# Allegro board IMC-IO_A-IN_A2.brd (continued)
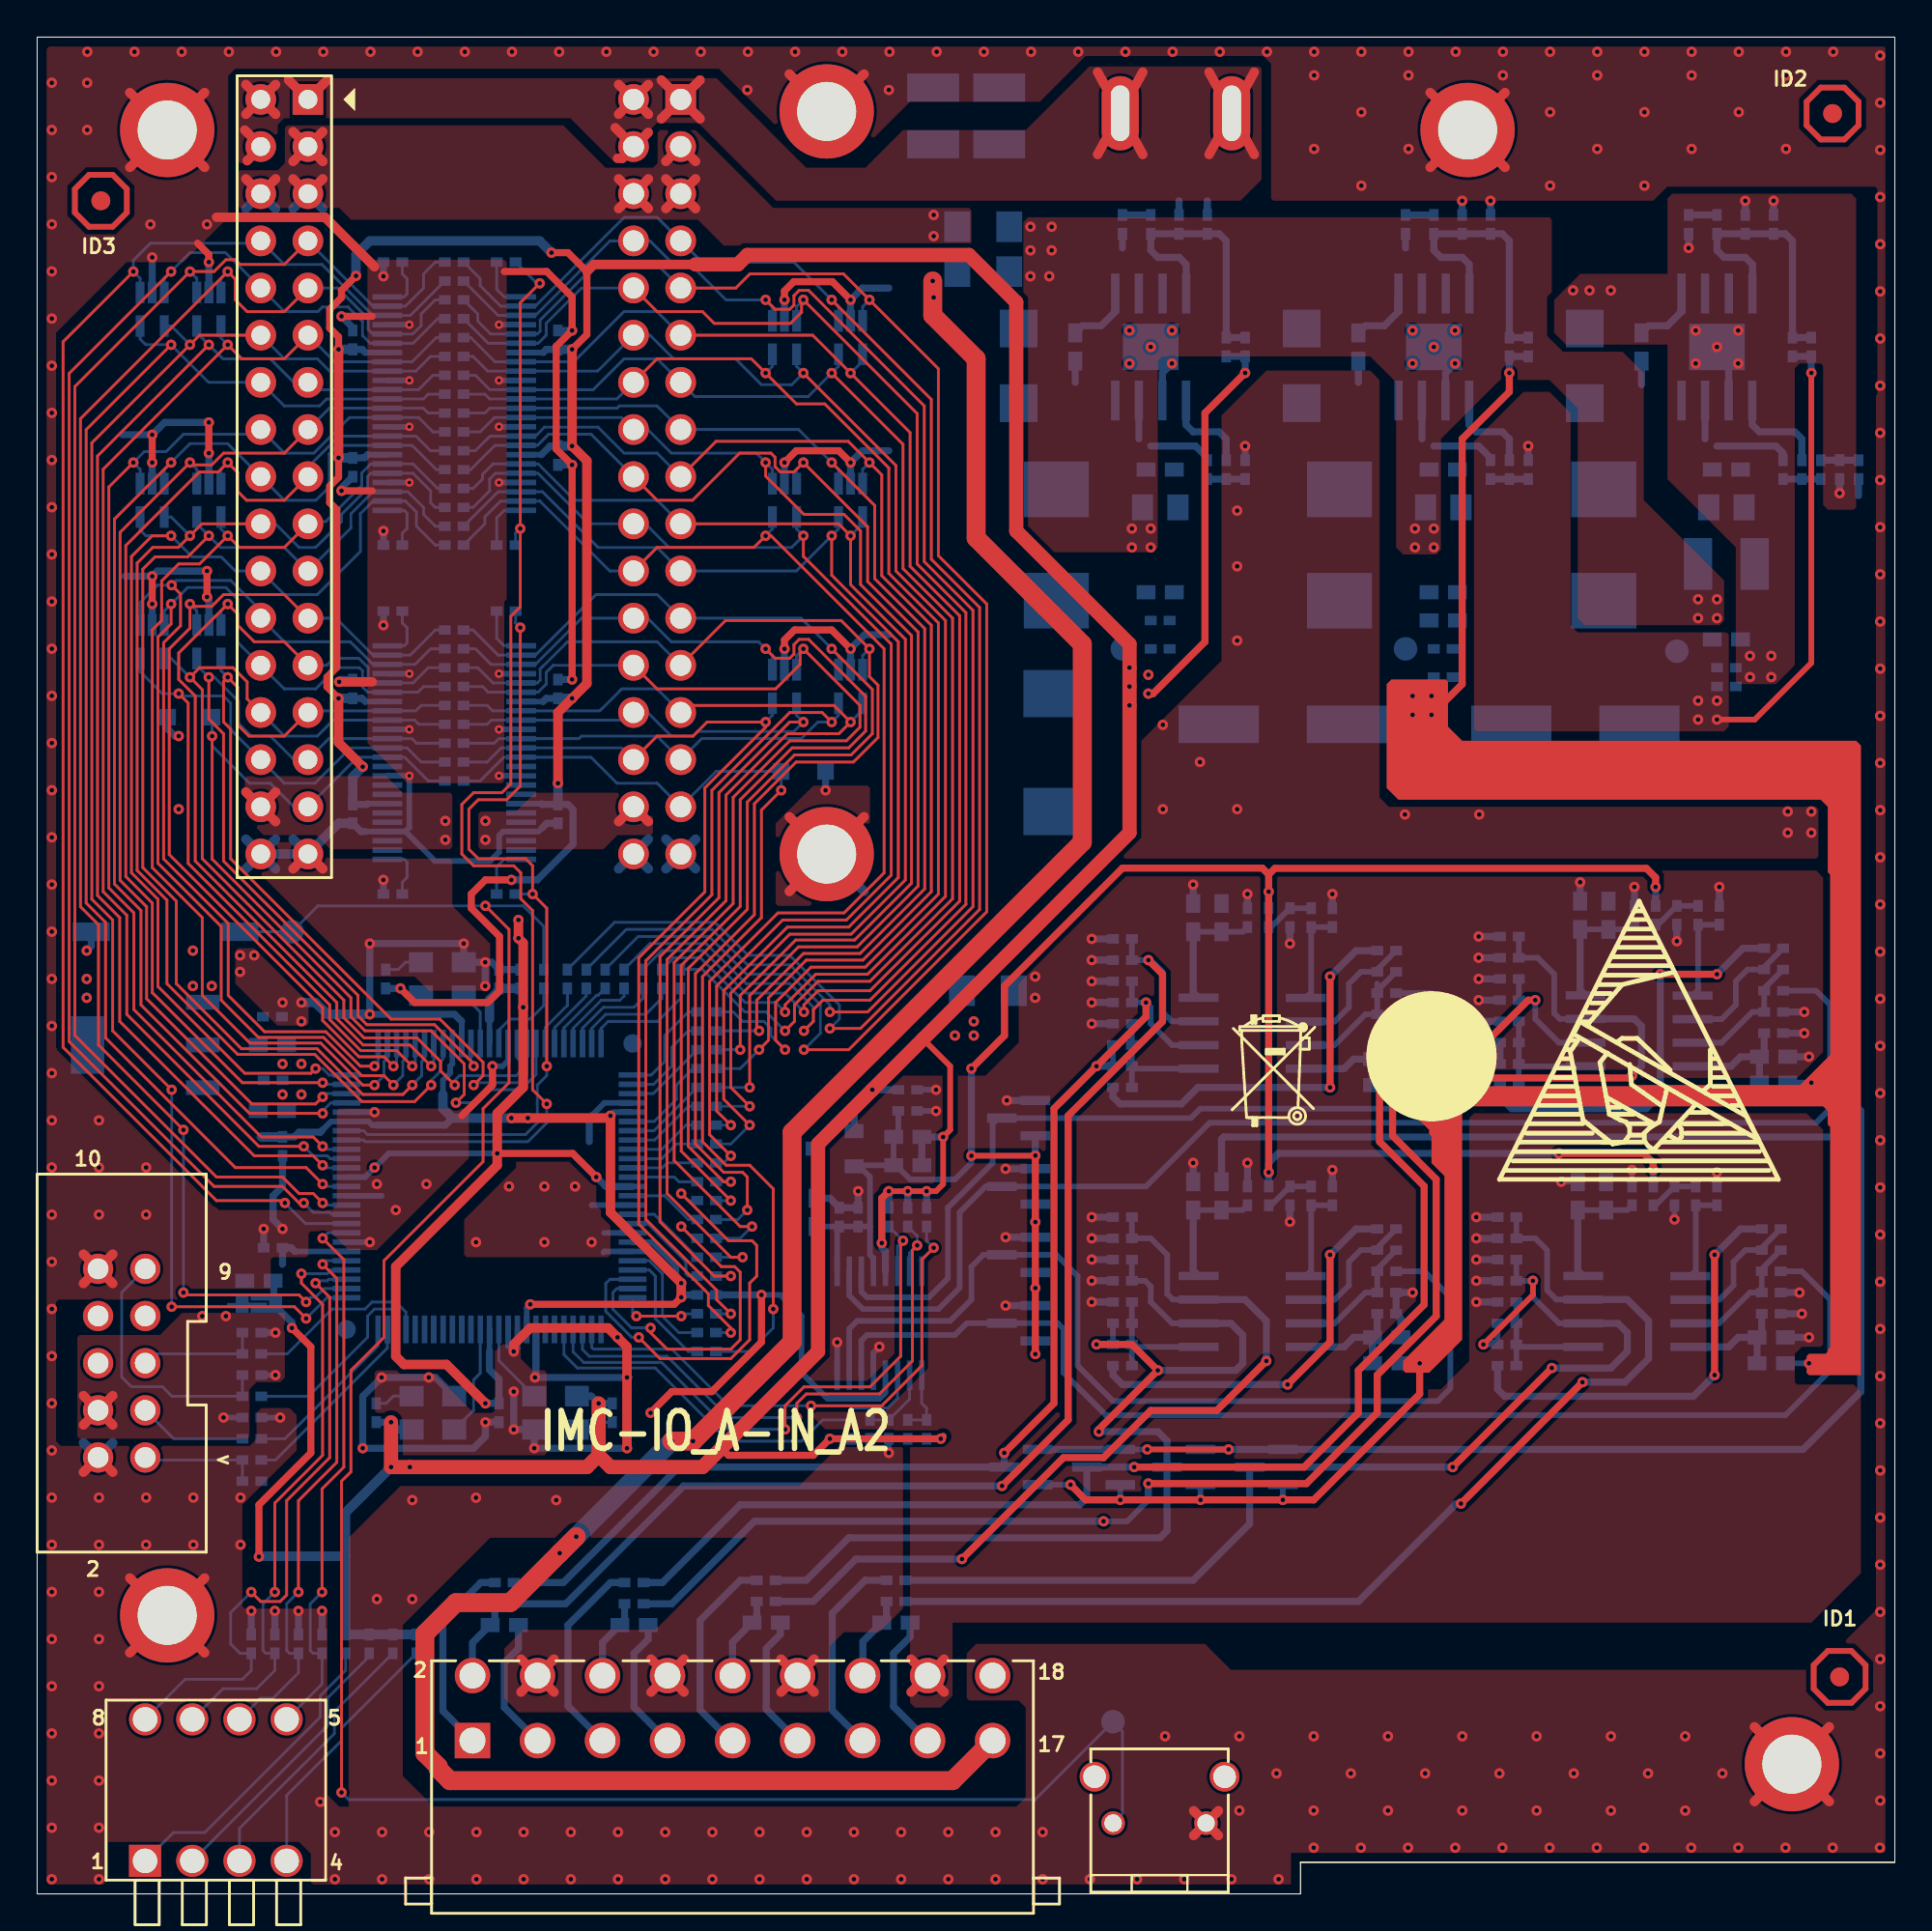
[diagram p0: board, top side]
## Routing (per net, layer and track width the routed paths; a pad name or vN(x,y) marks a point on that pad's centre or on a via; arc(x,y) is an arc through that point) (continued)
  BOTTOM w0.152: P1.52 18.85,45.01 18.67,44.83 18.67,44.07 v1(18.16,43.56) ; U13.4 9.89,73.51 v1(10.26,73.14) ; J3.19 14.7,73.91 15.54,73.91 17.47,75.84 17.47,76.52 17.96,77.01 U7.30 20.24,77.01 21.56,75.69 R143.1
F_EX_DATA13: length 66.2
  TOP w0.152: J3.20 8.87,73.79 v1(8.23,73.14) 7.6,72.52 6.22,72.52 5.38,71.67 5.38,55.12 6.99,53.52 6.99,49.02 10.79,45.21 14.94,45.21 17.48,42.67 20.32,42.67 v1(21.21,43.56)
  BOTTOM w0.152: P1.58 21.85,44.97 21.72,44.83 21.72,44.32 21.21,43.81 v1(21.21,43.56) ; J3.20 12.83,73.79 14.1,72.52 14.99,72.52 16.38,73.91 16.38,74.3 17.78,75.69 17.78,76.33 17.97,76.51 U7.29 20.23,76.51 21.18,75.56 21.18,74.93 21.43,74.67 R144.1 ; v1(8.23,73.14) 7.21,74.16 U14.4
F_EX_DATA14: length 63.2
  TOP w0.152: v1(9.24,73.14) 8.11,72.01 6.35,72.01 5.69,71.34 5.69,55.27 7.49,53.47 7.49,49.02 11,45.52 15.07,45.52 17.53,43.05 19.68,43.05 v1(20.19,43.56)
  BOTTOM w0.152: U13.5 8.59,73.79 v1(9.24,73.14) 9.87,72.52 13.31,72.52 J3.21 16.89,73.56 16.89,74.33 18.08,75.51 U7.27 19.96,75.51 20.8,74.67 20.8,74.29 21.43,73.66 R146.1 ; P1.56 20.85,44.98 20.7,44.83 20.7,44.07 v1(20.19,43.56)
F_EX_DATA15: length 61.9
  TOP w0.152: v1(14.99,44.45) 14.73,44.2 11.18,44.2 6.5,48.87 6.5,53.57 5.08,55 5.08,72.03 6.19,73.14 v1(7.21,73.14)
  BOTTOM w0.152: R149.1 21.43,72.64 20.42,73.66 20.42,74.42 19.83,75.01 U7.26 18.08,75.01 17.4,74.34 17.4,72.3 15.08,69.98 13.31,69.98 J3.22 10.67,71.25 9.91,72.01 8.35,72.01 v1(7.21,73.14) 5.85,73.14 5.54,73.45 U14.5 ; v1(14.99,44.45) 15.37,44.45 15.72,44.1 P1.50
F_EX_RD: length 55.4
  TOP w0.152: v1(18.16,44.58) 17.4,44.58 15.54,46.43 12.24,46.43 10.29,48.39 10.29,52.26 6.81,55.74 6.81,67.39 7.72,68.3 7.72,70.01 v1(7.24,70.48)
  BOTTOM w0.152: U18.1 5.54,69.55 6.48,70.48 v1(7.24,70.48) 7.49,70.74 10.41,70.74 12.04,69.12 J3.24 13.31,67.44 16.86,67.44 18.08,66.22 U8.46 20.34,66.22 21.18,67.05 R151.1 ; P1.51 18.35,44.77 v1(18.16,44.58)
F_EX_WR: length 50.5
  TOP w0.152: v1(21.21,44.58) 20.07,45.72 17.55,45.72 16.13,47.14 16.13,48.01 8.51,55.63 8.51,64.52 7.62,65.41 7.62,66.83 v1(10.26,69.47) 10.79,68.93 10.79,68.33 11.68,67.44 13.31,67.44 J3.25
  BOTTOM w0.152: R152.1 21.05,66.04 20.23,65.22 U8.44 17.97,65.22 17.82,65.37 17.82,66.04 17.31,66.55 15.97,66.55 15.59,66.17 J3.25 ; v1(21.21,44.58) 21.35,44.72 P1.57 ; U17.3 9.89,69.1 v1(10.26,69.47)
F_JTAG_TCK: length 10.3
  BOTTOM w0.152: 12.06,23.37 12.83,23.37 18.85,29.39 P1.24
F_JTAG_TDI: length 10.9
  BOTTOM w0.152: P1.23 19.35,31.32 19.18,31.5 18.16,31.5 17.78,31.12 17.78,29.97 14.61,26.8 12.06,26.8
F_JTAG_TDO: length 9.2
  BOTTOM w0.152: 12.06,24.51 13.34,24.51 18.35,29.53 P1.25
F_JTAG_TMS: length 10.1
  BOTTOM w0.152: P1.22 19.85,31.33 19.3,31.88 18.03,31.88 17.65,31.5 15.88,31.5 13.46,29.08 12.06,29.08
IIC_ADD0: length 3.5
  BOTTOM w0.152: U26.1 47.61,26.43 47.88,26.16 47.88,25.53 46.86,25.53
IIC_ADD1: length 3.9
  BOTTOM w0.152: U26.2 46.96,26.64 45.85,25.53 44.83,25.53
IIN0+: length 7.3
  BOTTOM w0.381: R219.1 25.91,13.21 25.15,12.45 25.15,10.04 J2.3
IIN1+: length 7.3
  BOTTOM w0.381: R233.1 32.89,13.72 32.13,12.95 32.13,10.06 J2.7
IIN2+: length 7.4
  BOTTOM w0.381: R247.1 40.01,13.97 39.24,13.21 39.24,9.94 J2.11
IIN3+: length 7.5
  BOTTOM w0.381: 47.93,8.26 46.1,10.09 46.1,12.95 46.99,13.84 R261.1
RESET IN: length 121
  TOP w0.152: v1(16.38,5.46) 16.38,22.23 16.89,22.73 16.89,28.19 18.67,29.97 18.67,34.1 24,39.44 24,42.29 25.4,43.69 25.4,51.94 v1(24.13,53.21)
  BOTTOM w0.152: R159.1 27.27,52.1 26.16,53.21 v1(24.13,53.21) 15.11,53.21 TP2.1 SW1.2 ; RST1.1 58.42,4.31 58.42,8.76 TP3.1 53.72,5.08 16.76,5.08 v1(16.38,5.46)
V/IIN0-: length 4.4
  BOTTOM w0.381: J2.2 23.43,13.53 R219.2 24.64,14.73 R222.2
V/IIN1-: length 4.4
  BOTTOM w0.381: R236.2 31.62,14.73 R233.2 30.43,13.54 J2.6
V/IIN2-: length 4.5
  BOTTOM w0.381: J2.10 37.43,13.56 R247.2 38.73,14.86 R250.2
V/IIN3-: length 4.5
  BOTTOM w0.381: R264.2 45.72,14.86 R261.2 44.45,13.59 44.45,11.77 J2.14
VREF_ADC: length 129.9
  TOP w0.305: v1(50.29,39.75) 53.72,39.75 v1(53.73,39.76)
  TOP w0.381: v1(87.12,54.23) 87.12,54.74 86.63,55.23 66.62,55.23 66.29,54.9 ; v1(50.29,44.45) 52.07,46.23 52.07,48.9 58.42,55.24 65.95,55.24 66.29,54.9 ; v1(81.92,39.88) 86.49,39.88 87,39.37 v1(87,38.99) ; v1(66.29,38.86) v1(66.29,53.98) 66.29,54.9 ; v1(53.73,39.76) v1(53.73,36.18) v1(53.73,32.63) v1(53.73,29.07)
  BOTTOM w0.305: U26.9 43.06,35.82 C90.1 ; FB1.2 46.23,39.24 46.99,38.48 49.4,38.48 50.29,39.37 v1(50.29,39.75) ; FB1.2 FB2.2 46.35,41.02 C89.1 ; FB1.2 44.04,39.24 U25.2 44.26,39.18 44.83,38.61 44.83,35.94 ; 44.83,35.94 44.83,34.42 45.01,34.23 U26.12 ; 44.83,35.94 C91.1 C90.1 ; C90.1 C92.1
  BOTTOM w0.381: v1(50.29,39.75) v1(50.29,44.45) ; v1(81.92,39.88) 66.8,39.88 66.29,39.37 v1(66.29,38.86) R245.2 ; v1(87,38.99) R259.2 ; R231.2 v1(87.12,54.23) ; v1(53.73,36.18) D26.2 ; v1(53.73,39.76) D24.2 ; v1(53.73,32.63) D28.2 ; D30.2 v1(53.73,29.07) ; R217.2 v1(66.29,53.98)
N12518223: length 6.6
  BOTTOM w0.381: C101.1 72.14,45.21 C100.1 ; C101.1 70.87,44.96 70.35,44.44 U27.8 ; C101.1 FB4.1
N12518251: length 65.9
  TOP w0.381: v1(59.69,48.01) 59.69,47.24 v1(57.02,44.58) 54.74,42.29 54.74,26.43 v1(52.06,23.75)
  BOTTOM w0.305: U27.2 61.09,45.71 59.94,46.86 59.94,47.75 v1(59.69,48.01) C96.1 R214.1 ; C95.1 R213.2
  BOTTOM w0.381: R213.2 v1(57.02,44.58) ; R212.1 28.32,16.76 34.54,22.99 D23.3 ; v1(52.06,23.75) D23.3 ; D23.3 52.58,22.99
N12518351: length 68.5
  TOP w0.381: v1(59.82,50.29) 60.58,49.53 60.58,46.99 55.5,41.91 55.5,25.53 v1(51.94,21.97)
  BOTTOM w0.305: R223.1 C99.1 v1(59.82,50.29) 59.94,50.29 60.58,49.66 60.58,47.5 61.08,47 U27.3
  BOTTOM w0.381: v1(51.94,21.97) 34.8,21.97 28.45,15.62 R222.1
N12518743: length 7.1
  BOTTOM w0.305: U27.1 59.06,44.44 R213.1 ; R213.1 R215.2 ; R213.1 C95.2 C97.1
N12518865: length 6.7
  BOTTOM w0.305: C94.1 64.9,51.82 FB3.1 C93.1
  BOTTOM w0.381: C93.1 62.23,48.56 U27.4
N12518887: length 21.8
  TOP w0.381: v1(69.6,43.43) v1(69.6,49.4)
  BOTTOM w0.381: v1(69.6,49.4) 70.99,50.8 R210.2 ; v1(69.6,43.43) 62.48,43.43 61.59,42.55 58.29,42.55 57.91,42.93 R215.1
N12532089: length 5.1
  BOTTOM w0.305: R221.1 R218.1 68.58,48.55 U27.5
N12532253: length 2.7
  BOTTOM w0.305: R217.1 66.42,52.07 R220.1 R218.2
N12532462: length 7.3
  BOTTOM w0.305: U27.6 69.84,46.98 70.61,47.75 70.61,49.02 71.25,49.66 R211.2 72.14,49.78 R210.1
N12532476: length 7.6
  BOTTOM w0.305: 72.14,48.64 R211.1 ; 72.14,48.64 72.14,49.02 ; 72.14,48.64 R216.2 C98.1 71.5,47.37 69.84,45.71 U27.7
N12534114: length 7.1
  BOTTOM w0.305: R227.1 R229.2 ; R227.1 79.89,44.57 U28.1 ; R227.1 C104.2 C106.1
N12534118: length 82
  TOP w0.381: v1(59.05,22.99) 68.2,22.99 71.12,25.91 71.12,28.19 74.66,31.74 74.66,38.11 72.26,40.51 72.26,43.81 73.28,44.83 76.96,44.83 v1(77.98,45.85) 80.26,48.13 v1(80.64,48.13)
  BOTTOM w0.305: R228.1 C105.1 v1(80.64,48.13) 80.64,47.12 81.92,45.84 U28.2
  BOTTOM w0.381: v1(59.05,22.99) D25.3 56.5,21.34 56.12,20.95 37.85,20.95 33.66,16.76 R226.1 ; v1(77.98,45.85) C104.1 R227.2
N12534134: length 6.6
  BOTTOM w0.381: U28.8 91.18,44.57 91.69,45.09 C110.1 ; C110.1 FB6.1 ; C110.1 92.96,45.34 C109.1
N12534254: length 90.5
  TOP w0.381: v1(59.82,22.1) 68.33,22.1 72.14,25.91 72.14,27.94 75.31,31.11 75.31,38.48 72.96,40.83 72.96,43.24 73.66,43.94 85.72,43.94 v1(85.85,44.07)
  BOTTOM w0.305: U28.3 81.97,47.12 81.66,47.43 81.66,49.53 80.77,50.42 C108.1 R237.1 ; 59.82,21.21 58.67,20.07 v1(57.4,20.07)
  BOTTOM w0.381: U28.3 85.97,47.12 86.36,46.74 86.36,44.58 v1(85.85,44.07) ; v1(59.82,22.1) 59.82,21.21 ; v1(57.4,20.07) 38.61,20.07 34.16,15.62 R236.1
N12534496: length 6.7
  BOTTOM w0.305: C102.1 FB5.1 85.72,51.94 C103.1
  BOTTOM w0.381: C102.1 83.06,48.69 U28.4
N12534752: length 22.5
  TOP w0.381: v1(87.38,49.53) v1(90.42,49.53)
  BOTTOM w0.381: v1(90.42,49.53) 91.82,50.93 R224.2 ; v1(87.38,49.53) 87.38,43.05 86.61,42.29 79.38,42.29 78.74,42.93 R229.1
N12534854: length 5.1
  BOTTOM w0.305: R235.1 R232.1 89.41,48.68 U28.5
N12534908: length 2.7
  BOTTOM w0.305: R231.1 87.25,52.2 R234.1 R232.2
N12535022: length 7.3
  BOTTOM w0.305: R224.1 92.96,49.91 R225.2 92.08,49.78 91.44,49.15 91.44,47.88 90.67,47.11 U28.6
N12535042: length 7.2
  BOTTOM w0.305: R225.1 92.96,48.77 R230.2 C107.1 92.33,47.5 90.67,45.84 U28.7
N12538562: length 7.1
  BOTTOM w0.305: R241.1 R243.2 ; R241.1 C113.2 C115.1 ; R241.1 59.06,29.46 U29.1
N12538566: length 56.5
  TOP w0.381: v1(57.02,29.59) 58.93,29.59 v1(60.33,28.19) 57.15,25.02 v1(57.15,24.89)
  BOTTOM w0.305: C113.1 R241.2 ; U29.2 61.09,30.73 59.94,31.88 59.94,32.72 59.64,33.02 C114.1 R242.1
  BOTTOM w0.381: R240.1 41.4,16.89 43.69,19.18 60.44,19.18 60.82,19.56 D27.3 60.82,24.39 60.33,24.89 v1(57.15,24.89) ; U29.2 64.26,30.73 64.9,30.09 64.9,28.57 64.52,28.19 v1(60.33,28.19) ; R241.2 v1(57.02,29.59)
N12538582: length 6.6
  BOTTOM w0.381: C119.1 FB8.1 ; C119.1 72.14,30.23 C118.1 ; C119.1 70.87,29.97 70.35,29.46 U29.8
N12538702: length 45.5
  TOP w0.381: v1(66.17,28.7) 63.5,26.04 59.94,26.04 57.4,23.5 55.24,23.5 v1(49.78,18.03)
  BOTTOM w0.305: C117.1 R251.1 ; C117.1 58.93,35.18 ; C117.1 59.94,35.31 60.83,34.42 60.83,32.31 61.14,32.01 U29.3
  BOTTOM w0.381: v1(66.17,28.7) 66.17,30.86 65.02,32.01 U29.3 ; R250.1 41.78,15.75 44.07,18.03 v1(49.78,18.03)
N12538944: length 6.7
  BOTTOM w0.305: C111.1 FB7.1 64.9,36.83 C112.1
  BOTTOM w0.381: U29.4 62.23,33.57 C111.1
N12539200: length 21.2
  TOP w0.381: v1(69.6,34.42) 69.6,29.72 v1(67.31,27.43)
  BOTTOM w0.381: R243.1 57.91,27.94 58.42,27.43 v1(67.31,27.43) ; R238.2 70.99,35.81 v1(69.6,34.42)
N12539302: length 5.1
  BOTTOM w0.305: U29.5 68.58,33.56 R246.1 R249.1
N12539356: length 2.7
  BOTTOM w0.305: R246.2 R248.1 66.42,37.08 R245.1
N12539470: length 7.3
  BOTTOM w0.305: R238.1 72.14,34.8 R239.2 71.25,34.67 70.61,34.04 70.61,32.77 69.84,32 U29.6
N12539490: length 7.2
  BOTTOM w0.305: R239.1 72.14,33.66 R244.2 C116.1 71.5,32.38 69.84,30.73 U29.7
N12539666: length 62
  TOP w0.305: v1(80.52,33.02) 80.52,32.26 v1(77.85,29.59)
  TOP w0.381: v1(81.53,28.32) v1(76.2,22.99)
  BOTTOM w0.305: U30.2 81.92,30.73 80.52,32.13 v1(80.52,33.02) C123.1 R256.1 ; v1(77.85,29.59) R255.2 C122.1
  BOTTOM w0.381: R254.1 62.23,16.89 65.27,19.93 D29.3 v1(76.2,22.99) ; v1(81.53,28.32) 84.71,28.32 85.6,29.21 85.6,30.23 85.1,30.73 U30.2
N12539678: length 7.1
  BOTTOM w0.305: R255.1 R257.2 ; R255.1 C122.2 C124.1 ; R255.1 79.76,29.46 U30.1
N12539690: length 6.6
  BOTTOM w0.381: C128.1 92.84,30.23 C127.1 ; C128.1 91.57,29.97 91.05,29.46 U30.8 ; C128.1 FB10.1
N12539814: length 58.8
  TOP w0.381: v1(76.64,21.02) v1(83.19,27.56)
  BOTTOM w0.305: U30.3 81.78,32.01 81.28,32.51 81.28,34.67 80.64,35.31 C126.1 R265.1
  BOTTOM w0.381: v1(83.19,27.56) 85.47,27.56 86.74,28.83 86.74,30.87 85.6,32.01 U30.3 ; v1(76.64,21.02) 76.39,21.02 71.12,15.75 R264.1
N12540068: length 6.7
  BOTTOM w0.305: C120.1 FB9.1 85.6,36.83 C121.1
  BOTTOM w0.381: U30.4 82.93,33.57 C120.1
N12540324: length 23.2
  TOP w0.381: v1(90.3,27.94) v1(90.3,34.42)
  BOTTOM w0.381: v1(90.3,27.94) 89.15,26.8 78.99,26.8 78.61,27.18 R257.1 ; v1(90.3,34.42) 91.69,35.81 R252.2
N12540414: length 5.1
  BOTTOM w0.305: R263.1 R260.1 89.28,33.56 U30.5
N12540468: length 2.7
  BOTTOM w0.305: R260.2 R262.1 87.12,37.08 R259.1
N12540582: length 7.3
  BOTTOM w0.305: R252.1 92.84,34.8 R253.2 91.95,34.67 91.31,34.04 91.31,32.77 90.55,32 U30.6
N12540610: length 7.2
  BOTTOM w0.305: U30.7 90.55,30.73 92.2,32.38 C125.1 R258.2 92.84,33.66 R253.1
N12573767: length 2
  BOTTOM w0.381: R2.2 R3.2 R5.1
N12573771: length 1.5
  BOTTOM w0.381: C10.2 R6.1
N12573779: length 15.1
  BOTTOM w0.381: U1.4 61.85,87.76 61.47,88.14 60.33,88.14 59.94,88.52 C10.1 C8.1 R4.1 63.63,89.41 64.01,89.03 C3.2 R1.2
N12573801: length 3.6
  BOTTOM w0.381: C1.1 56.26,84.45 57.28,84.45 58.03,85.21 U1.1
N12573805: length 1.1
  BOTTOM w0.381: C1.2 55.88,81.41
N12573855: length 4.9
  BOTTOM w0.381: R3.1 64.01,78.36 63.63,78.74 62.22,78.74 61.84,79.12 U1.5
N12573911: length 2
  BOTTOM w0.381: R164.1 R165.2 R160.2
N12573913: length 1.5
  BOTTOM w0.381: C68.2 R163.1
N12573919: length 15.1
  BOTTOM w0.381: U22.4 77.09,87.76 76.71,88.14 75.56,88.14 75.18,88.52 C68.1 C67.1 R162.1 78.87,89.41 79.25,89.03 C66.2 R161.2
N12573941: length 3.6
  BOTTOM w0.381: C69.1 71.5,84.45 72.52,84.45 73.27,85.21 U22.1
N12573945: length 1.1
  BOTTOM w0.381: C69.2 71.12,81.41
N12573995: length 4.9
  BOTTOM w0.381: R165.1 79.25,78.36 78.87,78.74 77.46,78.74 77.08,79.12 U22.5
N12574023: length 2
  BOTTOM w0.381: R173.2 R172.1 R170.2
N12574025: length 2
  BOTTOM w0.381: R166.2 R171.2 R170.1
N12574027: length 1.5
  BOTTOM w0.381: C78.2 R169.1
N12574031: length 15.1
  BOTTOM w0.381: U24.4 92.33,87.76 91.95,88.14 90.81,88.14 90.42,88.52 C78.1 C77.1 R168.1 94.11,89.41 94.49,89.03 C76.2 R167.2
N12574055: length 1.3
  BOTTOM w0.381: C79.2 86.36,81.28
N12574061: length 3.6
  BOTTOM w0.381: C79.1 86.74,84.45 87.76,84.45 88.51,85.21 U24.1
N12574107: length 5.4
  BOTTOM w0.381: U24.5 92.32,79.12 92.7,78.74 94.61,78.74 95,78.36 R171.1
N12576633: length 14.4
  BOTTOM w0.152: R8.1 R269.2 7.26,26.8 6.74,27.31 5.07,27.31 4.55,27.84 4.55,32.39 CON1.9
N12576635: length 6.6
  BOTTOM w0.152: R7.1 R268.2 6.32,29.08 CON1.5
N12576637: length 6.4
  BOTTOM w0.152: CON1.1 5.96,23.37 R266.2 R9.1
N12576723: length 5.1
  BOTTOM w0.152: R11.1 35.31,44.45 34.42,43.56 34.42,42.8 33.22,41.6 P1.81
N12576725: length 4.2
  BOTTOM w0.152: R13.1 35.05,42.42 33.23,40.6 P1.83
N12576727: length 4.5
  BOTTOM w0.152: R10.1 33.16,43.1 P1.78
N12576729: length 4
  BOTTOM w0.152: R14.1 34.92,41.4 33.62,40.1 P1.84
N12576801: length 2.1
  BOTTOM w0.152: OSC1.1 29.97,25.01 30.36,25.4 R36.1
N12576819: length 2.1
  BOTTOM w0.152: R37.1 18.79,26.42 19.18,26.81 OSC2.1
N12576847: length 2.1
  BOTTOM w0.152: OSC3.1 19.82,50.18 19.43,49.78 R38.1
N12576923: length 16.6
  BOTTOM w0.152: SW2.1 7.33,3.3 9.02,3.3 15.24,9.53 15.24,10.67 16.6,12.03 R35.2
N12576925: length 15.1
  BOTTOM w0.152: R39.2 17.87,12.79 15.62,10.54 15.62,9.05 SW2.2
N12576927: length 14.6
  BOTTOM w0.152: SW2.3 10.89,3.52 16,8.64 16,9.81 R40.2
N12576929: length 14.1
  BOTTOM w0.152: SW2.4 13.43,5.3 16.38,8.26 16.38,8.92 R41.2
N12576947: length 23.7
  TOP w0.152: v1(32.38,29.97) 33.53,28.83 37.34,28.83 38.35,29.84 38.35,32.89 38.73,33.27 38.73,34.92 38.48,35.18 37.21,35.18 v1(34.67,37.72)
  BOTTOM w0.152: P1.98 30.84,33.1 30.61,32.87 30.61,31.37 32,29.97 v1(32.38,29.97) ; R18.1 35.05,37.34 v1(34.67,37.72)
N12576949: length 4.4
  BOTTOM w0.152: P1.91 33.22,36.6 R22.1
N12576951: length 6.4
  BOTTOM w0.152: P1.96 32.96,34.1 33.66,33.4 33.66,31.11 34.54,30.23 R28.1
N12576953: length 3.6
  BOTTOM w0.152: P1.87 34.3,38.6 34.54,38.35 R17.1
N12576955: length 19.1
  TOP w0.152: v1(33.02,30.48) 33.02,30.23 33.91,29.34 37.34,29.34 37.85,29.84 37.85,33.48 37.55,33.78 36.83,33.78 v1(34.67,35.94)
  BOTTOM w0.152: P1.99 31.2,32.6 30.99,32.39 30.99,31.5 32,30.48 v1(33.02,30.48) ; R20.1 35.31,35.31 v1(34.67,35.94)
N12576957: length 4.4
  TOP w0.152: v1(32.26,31.11) v1(34.67,31.11)
  BOTTOM w0.152: R26.1 34.8,31.24 v1(34.67,31.11) ; v1(32.26,31.11) 32.05,31.32 P1.100
N12576959: length 3.6
  BOTTOM w0.152: P1.86 33.64,39.1 33.91,39.37 R16.1
N12576961: length 4
  BOTTOM w0.152: P1.89 33.77,37.6 35.05,36.32 R19.1
N12576963: length 3.8
  BOTTOM w0.152: R15.1 34.42,40.39 33.63,39.6 P1.85
N12576965: length 5
  BOTTOM w0.152: R24.1 35.05,33.27 34.92,33.4 34.92,34.04 32.86,36.1 P1.92
N12576967: length 6.6
  BOTTOM w0.152: R30.1 35.05,29.21 33.27,30.99 33.27,33.27 32.95,33.6 P1.97
N12577019: length 5.8
  BOTTOM w0.152: P1.74 29.85,46.62 30.61,47.37 32.77,47.37 33.62,48.23 R31.1
N12577021: length 6.3
  BOTTOM w0.152: R32.1 34.64,48.23 33.4,46.99 30.73,46.99 30.35,46.61 P1.75
N12577023: length 5.3
  BOTTOM w0.152: R34.1 35.05,46.48 34.16,45.59 34.16,44.58 33.19,43.6 P1.77
N12577025: length 5.7
  BOTTOM w0.152: R33.1 35.05,47.5 33.78,46.23 33.78,44.83 33.05,44.1 P1.76
N12577027: length 5.3
  BOTTOM w0.152: R29.1 32.61,48.23 32.13,47.75 30.48,47.75 29.35,46.62 P1.73
N12577029: length 3.9
  BOTTOM w0.152: P1.71 28.35,46.64 30.1,48.39 30.19,48.39 R25.1
N12577031: length 3.5
  BOTTOM w0.152: R21.1 28.54,47.85 27.35,46.66 P1.69
N12577033: length 4.7
  BOTTOM w0.152: P1.72 28.85,46.61 30.37,48.13 31.37,48.13 31.59,48.35 R27.1
N12577035: length 3.7
  BOTTOM w0.152: R23.1 29.56,48.35 27.85,46.65 P1.70
N12577037: length 4.6
  BOTTOM w0.152: P1.64 24.85,46.52 25.45,47.12 26.54,47.12 27.27,47.85 R159.2
N12581072: length 2.9
  BOTTOM w0.152: R145.2 24.74,86.42 25.14,86.01 U7.1
N12581074: length 2.9
  BOTTOM w0.152: U7.24 25.14,74.51 24.74,74.11 R147.2
N12581258: length 2.9
  BOTTOM w0.152: R139.2 19.66,53.85 19.66,54.49 19.91,54.74 19.91,55.56 19.76,55.72 U8.25
N12581262: length 2.9
  BOTTOM w0.152: R140.2 24.74,67.62 25.14,67.22 U8.1
N12581264: length 2.9
  BOTTOM w0.152: R148.2 24.73,55.31 25.14,55.72 U8.24
N12581296: length 2.9
  BOTTOM w0.152: R134.2 19.66,87.25 19.91,86.99 19.91,86.17 19.76,86.01 U7.48
N12581298: length 2.9
  BOTTOM w0.152: U7.25 19.76,74.51 19.91,74.36 19.91,73.54 19.66,73.28 R141.2
N12581306: length 2.9
  BOTTOM w0.152: R137.2 19.66,68.45 19.91,68.2 19.91,67.37 19.76,67.22 U8.48
N12649795: length 4.4
  BOTTOM w0.152: P1.82 33.19,41.1 R12.1
N12658556: length 5.9
  BOTTOM w0.152: CON1.3 7.35,24.51 R267.2

## Copper pours and planes (outline as drawn; the poured copper is in the pictures)
AGND on TOP: 95.76,55.12 58.55,55.12 52.83,49.4 52.83,45.85 51.05,44.07 46.23,44.07 41.27,39.12 41.27,26.16 42.42,25.02 46.1,25.02 46.99,24.13 46.99,10.29 47.24,10.03 48.64,10.03 49.28,10.67 49.28,14.61 95.5,14.61 98.17,17.27 98.17,27.05 97.79,27.43 94.74,27.43 94.61,27.56 94.61,29.08 95,29.46 96.01,29.46 96.14,29.59 96.14,41.15 95.25,42.04 77.34,42.04 77.09,41.78 77.09,28.7 75.56,27.18 73.28,27.18 72.9,27.56 72.9,29.08 74.68,30.86 74.68,40.64 73.41,41.91 73.41,43.43 73.91,43.94 94.74,43.94 96.14,45.34 96.14,54.74
AGND on BOTTOM: 51.82,49.53 51.82,47.75 51.94,47.62 53.98,47.62 54.1,47.75 54.1,49.53 53.98,49.66 51.94,49.66
GND on TOP: 0.64,0.51 0.51,0.64 0.51,99.35 0.65,99.49 99.41,99.49 99.49,99.41 99.49,2.29 99.41,2.21 67.49,2.21 67.49,0.51 14.86,0.51 14.73,0.64 14.73,2.16 14.1,2.79 3.81,2.79 3.68,2.67 3.68,0.64 3.56,0.51 ; 1 cut-out
GND on TOP: 27.43,23.75 27.43,28.07 27.3,28.19 26.67,28.19 26.04,28.83 26.04,29.46 25.91,29.59 25.02,29.59 24.64,29.21 24.64,26.04 24.51,25.91 23.5,25.91 21.21,28.19 18.29,28.19 18.16,28.07 18.16,26.04 18.29,25.91 19.43,25.91 19.56,25.78 19.56,23.75 19.68,23.62 27.3,23.62
GND on TOP: 90.93,67.94 82.93,67.94 82.55,68.33 82.55,79.76 81.41,80.9 80.01,80.9 77.34,78.23 77.34,62.74 77.47,62.61 90.81,62.61 91.06,62.87 91.06,67.82
GND on TOP: 11.68,50.93 10.79,50.93 10.67,50.8 10.67,49.02 12.95,46.74 14.48,46.74 14.61,46.86 14.61,48.01
GND on TOP: 63.75,79.63 63.75,66.42 58.17,60.83 58.17,56.01 58.42,55.75 95.76,55.75 95.89,55.88 95.89,58.42 95.76,58.55 72.77,58.55 72.26,59.05 72.26,81.53 71.75,82.04 66.17,82.04
GND on TOP: 23.11,34.29 22.99,34.42 22.99,36.32 25.78,39.12 25.78,40.77 25.91,40.89 29.97,40.89 30.1,40.77 30.1,37.08 30.86,36.32 30.86,34.42 30.73,34.29 ; 1 cut-out
GND on TOP: 17.91,88.01 25.15,88.01 25.27,87.88 25.27,69.72 25.15,69.6 25.15,59.94 25.02,59.82 19.94,59.82 17.78,61.98 17.78,87.88
GND on TOP: 41.78,59.69 44.7,59.69 44.83,59.56 44.83,54.86 43.18,53.21 39.88,53.21 39.75,53.34 39.75,57.66
GND on TOP: 11.43,56.64 14.86,56.64 15.75,55.75 22.23,55.75 22.35,55.63 22.35,53.21 24.38,51.18 24.38,48.77 24.26,48.64 21.08,48.64 20.32,49.4 17.53,49.4 11.3,55.63 11.3,56.52
GND on BOTTOM: 12.95,41.66 12.95,48.26 13.08,48.39 14.48,48.39 14.61,48.26 14.61,41.66 14.48,41.53 13.08,41.53
GND on BOTTOM: 0.51,0.51 0.51,99.49 99.49,99.49 99.49,2.21 67.49,2.21 67.49,0.51 14.86,0.51 14.73,0.64 14.73,5.21 14.86,5.33 15.62,5.33 16.26,4.7 56.39,4.7 56.52,4.57 56.52,2.54 56.64,2.41 58.93,2.41 59.56,3.05 59.56,9.65 59.69,9.78 93.09,9.78 98.98,15.67 98.98,56.64 98.93,56.64 98.81,56.77 94.11,56.77 93.98,56.9 93.98,68.33 93.85,68.45 91.31,68.45 91.19,68.58 91.19,77.09 91.31,77.22 92.58,77.22 92.71,77.09 92.71,75.44 92.84,75.31 97.66,75.31 97.79,75.44 98.55,75.44 98.68,75.56 98.68,77.85 98.55,77.98 95.76,77.98 95.63,78.11 95.63,78.99 95.25,79.38 93.34,79.38 93.22,79.5 93.22,81.92 93.47,82.17 95.25,82.17 95.5,81.56 95.76,82.17 96.14,82.17 96.27,82.3 96.27,84.45 96.01,84.71 95.25,84.71 95.12,84.84 95.12,90.93 94.11,91.95 88.39,91.95 87.88,91.44 87.88,87.76 82.17,87.76 81.66,87.25 81.66,71.37 81.79,71.25 87.76,71.25 87.88,71.12 87.88,68.45 88.27,68.07 90.55,68.07 90.68,67.94 90.68,62.87 90.55,62.74 89.03,62.74 88.9,62.87 88.9,65.28 88.77,65.41 81.79,65.41 81.53,65.15 81.53,61.85 81.41,61.72 81.03,61.72 80.9,61.59 80.9,57.02 80.26,56.39 50.8,56.39 50.55,56.13 50.55,47.62 50.67,47.5 50.67,46.1 50.55,45.97 47.12,45.97 41.15,51.94 39.12,51.94 37.34,53.72 31.75,53.72 31.11,54.36 31.11,56.77 31.37,57.02 38.99,57.02 41.66,59.69 45.21,59.69 45.59,60.07 45.59,86.61 45.85,86.87 46.23,86.87 46.99,86.11 54.86,86.11 55.37,86.61 55.37,91.19 56.01,91.82 66.29,91.82 66.42,91.95 66.42,98.81 66.24,98.98 56.44,98.98 53.98,96.52 46.99,96.52 43.94,93.47 41.4,93.47 36.58,98.3 10.67,98.3 10.16,97.79 10.16,89.41 10.03,89.28 5.84,89.28 4.83,88.27 4.83,62.74 4.95,62.61 8.51,62.61 8.64,62.48 8.64,60.33 11.43,57.53 16.13,57.53 16.26,57.4 16.26,55.37 16.38,55.24 18.92,55.24 19.05,55.12 19.05,54.48 18.92,54.36 9.02,54.36 8.89,54.23 8.89,51.05 9.02,50.93 11.68,50.93 12.06,50.55 12.06,50.29 10.16,48.39 10.16,47.75 10.03,47.62 5.33,47.62 5.08,47.88 1.4,47.88 1.02,47.5 1.02,44.07 1.65,43.43 7.37,43.43 7.49,43.31 7.49,34.92 7.37,34.8 4.57,34.8 4.45,34.67 4.45,33.15 4.32,33.02 2.29,33.02 2.16,32.89 2.16,25.15 2.54,24.77 4.45,24.77 4.57,24.64 4.57,22.48 4.7,22.35 6.86,22.35 6.99,22.48 6.99,24 7.11,24.13 12.57,24.13 12.7,24.26 12.7,25.02 12.83,25.15 17.53,25.15 17.65,25.02 17.65,24.26 17.78,24.13 23.37,24.13 23.75,24.51 25.27,24.51 25.65,24.13 31.37,24.13 31.5,24.26 31.5,27.94 31.62,28.07 32.13,28.07 33.78,26.42 33.78,22.99 24.64,13.84 21.34,13.84 21.21,13.97 21.21,14.73 21.08,14.86 17.65,14.86 16.89,15.62 16.89,21.97 17.14,22.23 20.7,22.23 20.83,22.35 20.83,23.5 20.7,23.62 15.75,23.62 13.59,21.46 13.59,17.02 13.46,16.89 10.92,16.89 9.78,15.75 9.78,12.19 9.65,12.06 4.7,12.06 4.57,11.94 4.57,2.92 4.45,2.79 3.81,2.79 3.68,2.67 3.68,0.64 3.56,0.51 ; 3 cut-outs
GND on BOTTOM: 27.56,40.89 29.97,40.89 30.1,40.77 30.1,38.1 30.86,37.34 30.86,34.42 30.73,34.29 17.91,34.29 17.78,34.42 17.78,39.62 17.91,39.75 26.42,39.75
GND_24V on TOP: 10.92,97.79 36.58,97.79 41.4,92.96 44.58,92.96 46.61,95 53.21,95 56.64,98.42 65.79,98.42 65.91,98.3 65.91,92.33 64.77,91.19 39.62,91.19 35.43,95.38 33.4,95.38 33.02,95 33.02,93.47 32.89,93.34 30.99,93.34 28.7,95.63 13.34,95.63 12.95,95.25 12.95,93.34 12.83,93.22 10.92,93.22 10.79,93.34 10.79,97.66
GND_24V on BOTTOM: 56.64,98.42 65.79,98.42 65.91,98.3 65.91,92.33 65.79,92.2 55.63,92.2 54.61,91.19 39.62,91.19 35.43,95.38 33.4,95.38 33.02,95 33.02,93.47 32.89,93.34 30.99,93.34 28.7,95.63 13.34,95.63 12.95,95.25 12.95,93.34 12.83,93.22 10.92,93.22 10.79,93.34 10.79,97.66 10.92,97.79 36.58,97.79 41.4,92.96 44.58,92.96 46.61,95 53.21,95
VDD_1V8 on BOTTOM: 12.45,48.13 12.45,45.34 12.32,45.21 5.33,45.21 4.19,44.07 1.91,44.07 1.78,44.2 1.78,47.24 1.91,47.37 4.83,47.37 5.33,46.86 10.29,46.86 10.67,47.24 10.67,48.26 12.32,49.91 13.97,49.91 16.89,52.83 26.04,52.83 26.16,52.7 26.16,51.31 26.04,51.18 24.26,51.18 23.75,51.69 17.53,51.69 14.61,48.77 13.08,48.77
VDD_3V3 on BOTTOM (solid shape): 13.19,31.3 11.49,31.3 11.49,31.55 12.49,31.55 12.49,31.95 11.49,31.95 11.49,32.2 13.19,32.2
VDD_3V3 on BOTTOM: 60.07,71.25 51.56,71.25 51.31,70.99 51.31,63.75 51.69,63.37 59.82,63.37 60.2,63.75 60.2,71.12
VDD_3V3_FPGA on BOTTOM (solid shape): 11.39,31.85 12.39,31.85 12.39,31.65 11.39,31.65 11.39,31.3 10.69,31.3 10.69,32.2 11.39,32.2
VDD_3V3_FPGA on TOP: 13.21,31.62 13.34,31.5 13.34,27.81 13.08,27.56 11.81,27.56 11.43,27.18 11.43,24.64 11.3,24.51 2.29,24.51 2.16,24.64 2.16,29.97 2.29,30.1 6.6,30.1 8.13,31.62
VDD_3V3_FPGA on BOTTOM: 8.13,44.45 12.32,44.45 12.45,44.32 12.45,38.61 11.43,37.59 11.43,34.29 11.56,34.16 13.72,34.16 13.84,34.04 13.84,33.53 13.72,33.4 12.45,33.4 12.32,33.27 12.32,30.86 12.19,30.73 8.26,30.73 8,30.99 8,44.32
VDD_5V_MAIN on TOP: 33.15,59.18 33.15,57.15 33.02,57.02 31.24,57.02 30.48,56.26 23.88,56.26 23.75,56.39 23.75,58.17 23.88,58.29 25.78,58.29 26.8,59.31 33.02,59.31
VDD_5V_MAIN on TOP: 12.19,57.02 11.18,58.04 11.18,60.07 11.3,60.2 11.63,60.2 11.64,60.19 12.04,60.11 12.44,60.2 14.17,60.2 14.58,60.11 14.98,60.2 18.8,60.2 19.68,59.31 22.23,59.31 22.35,59.18 22.35,56.39 22.23,56.26 15.75,56.26 14.99,57.02
VDD_5V_MAIN on BOTTOM: 21.59,59.31 24.38,59.31 24.51,59.18 24.51,56.39 24.38,56.26 21.59,56.26 21.46,56.39 21.46,59.18
VDD_24V on TOP: 28.32,95.25 30.61,92.96 33.15,92.96 33.4,93.22 33.4,94.87 33.53,95 35.43,95 39.62,90.81 50.16,90.81 50.29,90.68 50.29,88.9 50.16,88.77 36.96,88.77 35.56,90.17 16.89,90.17 16.26,90.81 10.92,90.81 10.79,90.93 10.79,92.71 10.92,92.84 12.95,92.84 13.34,93.22 13.34,95.12 13.46,95.25
VDD_24V on BOTTOM: 10.92,90.17 30.61,90.17 31.24,90.81 33.91,90.81 34.54,90.17 35.56,90.17 36.96,88.77 50.16,88.77 50.29,88.9 50.29,90.68 50.16,90.81 39.62,90.81 35.43,95 33.53,95 33.4,94.87 33.4,93.22 33.15,92.96 30.61,92.96 28.32,95.25 13.46,95.25 13.34,95.12 13.34,93.22 12.95,92.84 10.92,92.84 10.79,92.71 10.79,90.3
VDD_24V_IO on BOTTOM: 50.16,88.27 48.01,88.27 47.62,87.88 47.62,85.98 48.01,85.6 50.04,85.6 50.29,85.85 50.29,88.14
VDD_24V_MAIN on TOP: 81.41,90.3 53.34,90.3 53.09,90.04 53.09,72.64 53.47,72.26 60.07,72.26 60.33,72.52 60.33,82.55 60.58,82.8 71.75,82.8 73.15,81.41 73.15,72.52 73.53,72.14 75.31,72.14 75.56,72.39 75.56,78.36 78.74,81.53 81.41,81.53 82.93,80.01 82.93,68.71 83.31,68.33 90.55,68.33 90.81,68.58 90.81,70.74 86.49,75.06 86.49,81.92 85.09,83.31 82.3,83.31 81.53,84.07 81.53,90.17
VDD_24V_MAIN on BOTTOM: 73.53,78.61 75.06,78.61 75.44,78.23 75.44,72.26 75.31,72.14 73.28,72.14 73.15,72.26 73.15,78.23
VDD_24V_MAIN on BOTTOM: 58.29,78.61 59.82,78.61 60.2,78.23 60.2,72.26 60.07,72.14 58.04,72.14 57.91,72.26 57.91,78.23
VDD_24V_MAIN on BOTTOM: 51.69,86.61 51.82,86.49 54.61,86.49 54.99,86.87 54.99,90.55 54.86,90.68 51.82,90.68 51.69,90.55
VDD_24V_MAIN on BOTTOM: 88.77,78.61 90.3,78.61 90.68,78.23 90.68,68.58 90.55,68.45 88.52,68.45 88.39,68.58 88.39,78.23
VDD_+12V on TOP (solid shape): 75.95,65.28 75.95,62.87 76.71,62.1 97.92,62.1 98.17,61.85 98.17,27.94 95.38,27.94 95.25,28.07 95.25,28.96 95.38,29.08 96.27,29.08 96.39,29.21 96.39,29.31 96.52,29.43 96.52,41.31 96.39,41.43 96.39,42.16 96.14,42.42 77.19,42.42 76.96,42.42 76.71,42.16 76.71,29.84 74.93,28.07 73.66,28.07 73.53,28.19 73.53,28.71 75.76,30.93 75.76,38.67 75.06,39.36 75.06,40.8 74.93,40.92 74.93,41.15 74.3,41.78 74.3,43.5 85.91,43.5 85.97,43.56 94.9,43.56 96.52,45.18 96.52,54.89 96.39,55.02 96.39,58.55 96.01,58.93 73.28,58.93 72.64,59.56 72.64,65.15 72.9,65.41 75.82,65.41
VDD_+12V on BOTTOM: 75.31,71.25 68.45,71.25 68.2,70.99 68.2,61.85 68.33,61.72 75.18,61.72 75.44,61.98 75.44,71.12
VDD_-12V on TOP: 89.15,87.25 83.06,87.25 81.66,85.85 81.66,84.07 82.3,83.44 88.39,83.44 89.15,84.2
VDD_-12V on TOP: 91.44,72.52 91.44,65.28 91.57,65.15 93.6,65.15 94.61,66.17 94.61,82.17 94.87,82.42 96.01,82.42 96.14,82.3 96.14,74.8 96.39,74.55 97.79,74.55 97.92,74.68 97.92,91.31 97.66,91.57 88.01,91.57 87.76,91.31 87.76,76.2
